# Altium PCB RFSOC_SAWG.PcbDoc (part 13 of 15)
Units mm, origin at the board's own origin, x right, y up, seen from the top; angles counter-clockwise.
Board outline 221.25 x 100 mm, 8 copper layers (Top Layer, Mid-Layer 2, Mid-Layer 3, Mid-Layer 4, Mid-Layer 5, Mid-Layer 6, Mid-Layer 7, Bottom Layer), stack 1.455 mm thick; 1107 components, 833 nets, 3980 pads, 2483 vias.
Unrouted connection lines stored in the file: 1.
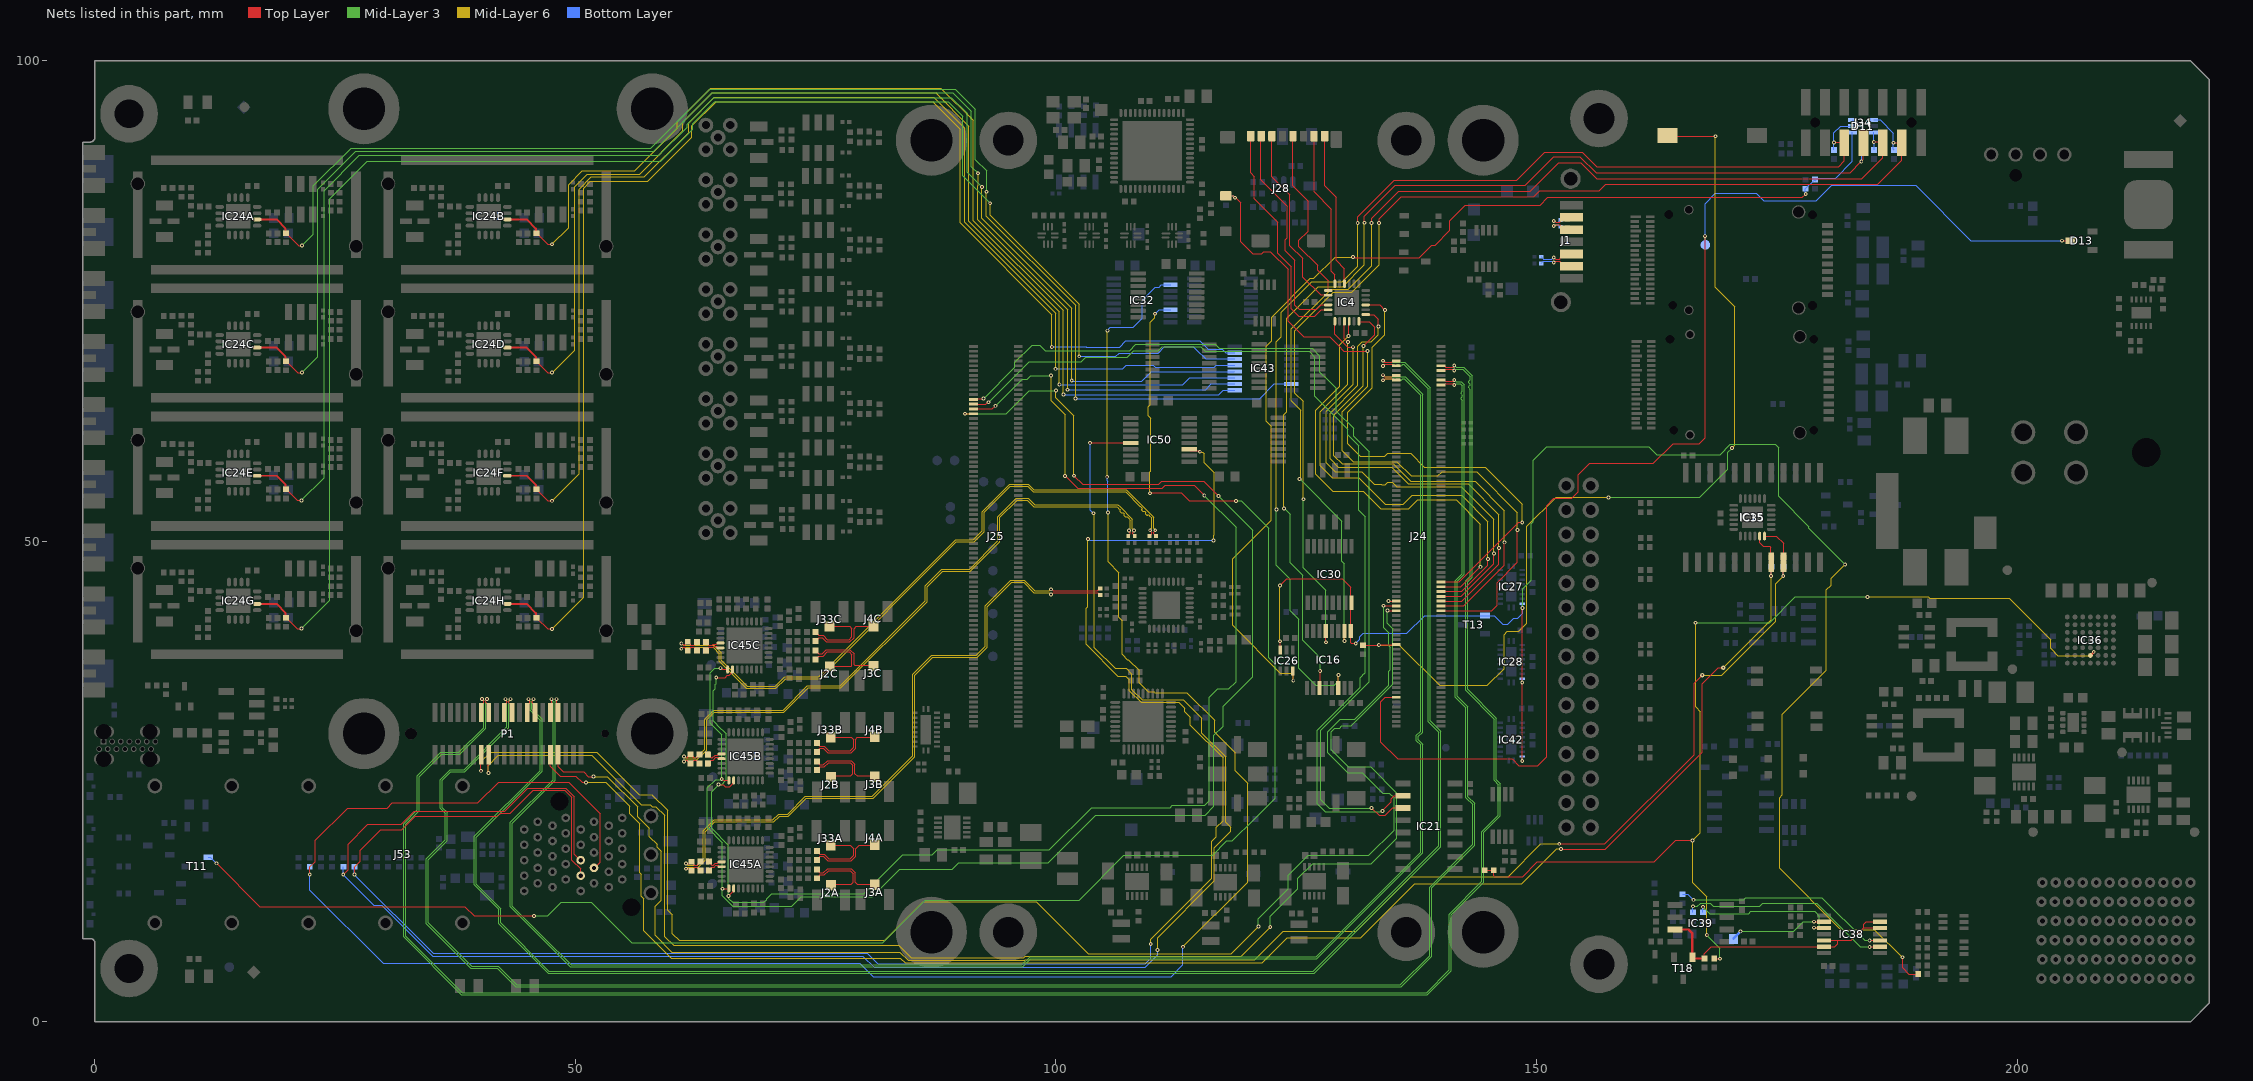
[diagram p19: the nets of this part, all layers, seen from the top]

## Via types
v1: diameter 0.4, hole 0.2, Top Layer to Bottom Layer, tented both sides, 1996 vias
v2: diameter 0.55, hole 0.2, Top Layer to Bottom Layer, 149 vias
v3: diameter 0.5, hole 0.2, Top Layer to Bottom Layer, tented both sides, 106 vias
v4: diameter 0.6, hole 0.3, Top Layer to Bottom Layer, tented both sides, 99 vias
v5: diameter 0.4, hole 0.15, Top Layer to Bottom Layer, tented both sides, 60 vias
v6: diameter 0.6, hole 0.3, Top Layer to Bottom Layer, 32 vias
v7: diameter 0.8, hole 0.5, Top Layer to Bottom Layer, tented both sides, 23 vias
v8: diameter 0.3/0.4/0.4/0.4/0.4/0.3 (per signal layer), hole 0.2, Top Layer to Bottom Layer, tented both sides, 12 vias
v9: diameter 0.4, hole 0.2, Top Layer to Bottom Layer, 5 vias
v10: diameter 0.5, hole 0.2, Top Layer to Bottom Layer, 1 vias

## Nets (pads, with @x,y where several pads share a name; then routed paths per layer and width w, separated by ;. In a path a pad name is that pad's centre, name@x,y a point inside that pad or via, vN(x,y) a via of type N, cw(c..) or ccw(c..) an arc to the next point about the centre after c; other vN are vias at no path point) (continued)
PHY_LED0: J24.50 P1.25 | length 152.8
  Top Layer w0.127: v1(40.95,25.9) 40.95,27.75 P1.25@41,27.8 ; v1(134.5,42.8) 134.514,42.786 135.401,42.786 J24.50@135.415,42.772
  Mid-Layer 3 w0.127: v1(122.3,9.875) 122.3,10.975 125.175,13.85 125.175,14.95 126.7,16.475 132.833,16.475 135.475,19.117 135.475,23.788 132.738,26.525 130.425,26.525 128.625,28.325 128.625,30.166 129.012,30.553 129.518,30.553 129.765,30.8 130.741,30.8 135.053,35.112 135.053,40.915 134.5,41.468 v1(134.5,42.8)
  Mid-Layer 6 w0.127: v1(40.95,25.9) 40.95,26.675 42,27.725 51.725,27.725 56.85,22.6 57.775,22.6 57.985,22.39 58.385,22.39 59.3,21.475 59.3,8.875 60.225,7.95 83.65,7.95 84.942,6.658 96.649,6.658 96.816,6.825 119.3,6.825 v1@122.35,9.875
PHY_LED1: J24.52 P1.27 | length 156.7
  Top Layer w0.127: v1(40.175,26.125) 40.175,27.775 P1.27@40.2,27.8 ; v1(134.1,43.3) 134.114,43.286 135.401,43.286 J24.52@135.415,43.272
  Mid-Layer 3 w0.127: v1(121.075,9.925) 121.075,10.75 124.175,13.85 124.175,15.25 126.25,17.325 132.575,17.325 135.2,19.95 135.2,23.3 134.7,23.8 134.025,23.8 131.9,25.925 130.35,25.925 128.275,28 128.275,30.176 129.05,30.95 129.599,31.5 131.082,31.5 134.625,35.043 134.625,36.473 134.791,36.638 134.791,38.962 134.625,39.127 134.625,40.5 134.1,41.025 v1(134.1,43.3)
  Mid-Layer 6 w0.127: v1(40.175,26.125) 40.175,27.05 41.175,28.05 52.25,28.05 56.65,23.65 57.975,23.65 59.625,22 59.625,11.6 60.1,11.125 60.1,10.461 60.1,9.186 60.786,8.5 82.2,8.5 86.175,12.475 97.975,12.475 103.371,7.079 118.254,7.079 v1@121.125,9.95
PHY_LED2: J24.54 | length 0.8
  Top Layer w0.127: v1(134.6,43.8) 134.614,43.786 135.401,43.786 J24.54@135.415,43.772
PHY_MDI0_N: J24.148 P1.10 | length 181.9
  Top Layer w0.093: P1.10@47.4,32.2 47.523,32.323 v1(47.523,33.575) ; v1(134.05,67.286) 134.05,67.232 134.15,67.132 134.96,67.132 135.1,67.272 J24.148@135.415,67.272
  Mid-Layer 3 w0.08: v1(47.523,33.575) 47.523,33.528 47.683,33.368 47.683,25.208 43.243,20.768 43.243,11.964 46.641,8.566 49.475,5.732 96.55,5.732 97.398,6.58 127.155,6.58 138.157,17.582 138.157,28.899 137.725,29.332 137.725,29.718 138.157,30.151 138.157,65.311 136.341,67.127 134.675,67.127 134.674,67.126 134.257,67.126 134.097,67.286 v1(134.05,67.286)
PHY_MDI0_P: J24.146 P1.8 | length 181.1
  Top Layer w0.093: v1(48.05,33.575) 48.05,32.35 P1.8@48.2,32.2 ; v1(134.05,66.759) 134.05,66.812 134.15,66.912 134.96,66.912 135.1,66.772 J24.146@135.415,66.772
  Mid-Layer 3 w0.08: v1(48.05,33.575) 48.05,33.528 47.89,33.368 47.89,25.122 43.45,20.682 43.45,12.05 46.727,8.773 49.561,5.939 96.464,5.939 97.312,6.787 127.069,6.787 137.95,17.668 137.95,28.813 137.518,29.246 137.518,29.804 137.95,30.237 137.95,65.225 136.256,66.919 136.132,66.919 ; v1(134.05,66.759) 134.097,66.759 134.257,66.919 134.761,66.919 134.761,66.92 135.112,66.92 135.182,66.85 135.182,66.84 135.252,66.77 135.392,66.77 135.462,66.84 135.462,66.85 135.532,66.92 135.672,66.92 135.742,66.85 135.742,66.84 135.812,66.77 135.952,66.77 136.022,66.84 136.022,66.85 136.092,66.92 136.132,66.92
PHY_MDI1_N: J24.154 P1.16 | length 190.7
  Top Layer w0.093: P1.16@45,32.2 45,32.95 45.203,33.154 45.222,33.154 45.277,33.208 45.277,33.367 45.123,33.521 v1(45.123,33.575) ; v1(134.05,68.786) 134.05,68.732 134.15,68.632 134.96,68.632 135.1,68.772 J24.154@135.415,68.772
  Mid-Layer 3 w0.08: v1(45.123,33.575) 45.123,33.528 45.283,33.368 45.283,32.449 46.325,31.407 46.325,26.143 39.475,19.293 39.475,14.257 42.025,11.707 42.025,10.207 47.172,5.061 126.861,5.061 140.024,18.224 140.024,30.244 138.957,31.311 138.957,65.961 136.292,68.626 134.257,68.626 134.097,68.786 v1(134.05,68.786)
PHY_MDI1_P: J24.152 P1.14 | length 189.9
  Top Layer w0.093: v1(45.65,33.575) 45.65,33.521 45.497,33.367 45.497,33.221 45.564,33.154 45.596,33.154 45.8,32.95 P1.14@45.8,32.2 ; v1(134.05,68.259) 134.05,68.312 134.15,68.412 134.96,68.412 135.1,68.272 J24.152@135.415,68.272
  Mid-Layer 3 w0.08: v1(45.65,33.575) 45.65,33.528 45.49,33.368 45.49,32.535 46.532,31.493 46.532,26.057 39.682,19.207 39.682,14.343 42.232,11.793 42.232,10.293 47.257,5.268 126.775,5.268 139.817,18.31 139.817,30.158 138.75,31.225 138.75,65.875 136.206,68.419 136.124,68.419 136.122,68.417 136.082,68.417 136.012,68.347 136.012,68.337 135.942,68.267 135.802,68.267 135.732,68.337 135.732,68.347 135.662,68.417 135.522,68.417 135.452,68.347 135.452,68.337 135.382,68.267 135.242,68.267 135.172,68.337 135.172,68.347 135.102,68.417 134.752,68.417 134.258,68.417 134.257,68.419 134.097,68.259 v1(134.05,68.259)
PHY_MDI2_N: J24.145 P1.22 | length 203.5
  Top Layer w0.093: P1.22@42.6,32.2 42.6,32.95 42.803,33.154 42.822,33.154 42.877,33.208 42.877,33.367 42.723,33.521 v1(42.723,33.575) ; J24.145@140.085,66.772 140.4,66.772 140.54,66.632 141.35,66.632 141.45,66.732 v1(141.45,66.786)
  Mid-Layer 3 w0.08: v1(42.723,33.575) 42.723,33.528 42.883,33.368 42.883,30.69 38.418,26.225 36.964,26.225 35.943,25.204 35.943,22.213 36.45,21.706 36.45,18.95 34.475,16.975 34.475,10.225 39.132,5.568 41.882,5.568 43.807,3.643 135.936,3.643 139.107,6.814 139.107,13.932 143.557,18.382 143.557,22.736 142.875,23.418 142.875,32.775 141.782,33.868 141.782,45.826 142.511,46.555 142.511,66.274 142.16,66.626 141.657,66.626 141.497,66.786 v1(141.45,66.786)
PHY_MDI2_P: J24.143 P1.20 | length 202.8
  Top Layer w0.093: v1(43.25,33.575) 43.25,33.521 43.097,33.367 43.097,33.221 43.164,33.154 43.196,33.154 43.4,32.95 P1.20@43.4,32.2 ; J24.143@140.085,66.272 140.4,66.272 140.54,66.412 141.35,66.412 141.45,66.312 v1(141.45,66.259)
  Mid-Layer 3 w0.08: v1(43.25,33.575) 43.25,33.528 43.09,33.368 43.09,30.604 38.504,26.018 37.05,26.018 36.15,25.118 36.15,22.298 36.657,21.791 36.657,18.864 34.682,16.889 34.682,10.311 39.218,5.775 41.968,5.775 43.893,3.85 135.85,3.85 138.9,6.9 138.9,14.018 143.35,18.468 143.35,22.65 142.668,23.332 142.668,32.689 141.575,33.782 141.575,45.911 142.304,46.641 142.304,64.6 142.304,64.64 142.234,64.71 142.224,64.71 142.154,64.78 142.154,64.92 142.224,64.99 142.234,64.99 142.304,65.06 142.304,65.2 142.234,65.27 142.224,65.27 142.154,65.34 142.154,65.48 142.224,65.55 142.234,65.55 142.304,65.62 142.304,65.971 142.304,66.189 142.074,66.419 141.657,66.419 141.497,66.259 v1(141.45,66.259)
PHY_MDI3_N: J24.151 P1.28 | length 212.9
  Top Layer w0.093: P1.28@40.2,32.2 40.2,32.95 40.452,33.202 40.452,33.392 40.298,33.546 v1(40.298,33.6) ; J24.151@140.085,68.272 140.4,68.272 140.54,68.132 141.35,68.132 141.45,68.232 v1(141.45,68.286)
  Mid-Layer 3 w0.08: v1(40.298,33.6) 40.298,33.553 40.458,33.393 40.458,30.626 37.864,28.032 35.989,28.032 33.568,25.611 33.568,22.061 32.143,20.636 32.143,8.839 38.14,2.842 138.66,2.842 141.132,5.314 141.132,11.132 144.532,14.532 144.532,19.707 146.257,21.432 146.257,24.78 145.832,25.205 145.832,31.598 142.832,34.598 142.832,45.807 143.307,46.282 143.307,67.236 142.417,68.126 141.657,68.126 141.497,68.286 v1(141.45,68.286)
PHY_MDI3_P: J24.149 P1.26 | length 212.2
  Top Layer w0.093: v1(40.825,33.6) 40.825,33.546 40.672,33.392 40.672,33.246 40.764,33.154 40.796,33.154 41,32.95 P1.26@41,32.2 ; J24.149@140.085,67.772 140.4,67.772 140.54,67.912 141.35,67.912 141.45,67.812 v1(141.45,67.759)
  Mid-Layer 3 w0.08: v1(40.825,33.6) 40.825,33.553 40.665,33.393 40.665,30.54 37.95,27.825 36.075,27.825 33.775,25.525 33.775,21.975 32.35,20.55 32.35,8.925 38.226,3.049 138.574,3.049 140.925,5.4 140.925,11.218 144.325,14.618 144.325,19.793 146.05,21.518 146.05,24.694 145.625,25.119 145.625,31.512 142.625,34.512 142.625,45.893 143.1,46.368 143.1,65.819 143.03,65.889 143.02,65.889 142.95,65.959 142.95,66.099 143.02,66.169 143.03,66.169 143.1,66.239 143.1,66.379 143.03,66.449 143.02,66.449 142.95,66.519 142.95,66.659 143.02,66.729 143.03,66.729 143.1,66.799 143.1,67.15 142.331,67.919 141.657,67.919 141.497,67.759 v1(141.45,67.759)
PROG_TCK: D11.3 IC16.2 J34.6 R263.1 | length 113.4
  Top Layer w0.093: v1(130.022,39.625) 130.022,40.647 IC16.2@130.025,40.65
  Top Layer w0.127: v1(132.85,83.125) 132.85,83.6 135.675,86.425 149.375,86.425 152.325,89.375 154.625,89.375 156.25,87.75 183.85,87.75 186.025,89.925 J34.6@186.025,91.45 185.925,91.55 v1(185.1,91.55)
  Mid-Layer 3 w0.127: v1(125.36,56.5) 129.75,52.109 129.75,47.95 130.022,47.678 v1(130.022,39.625)
  Mid-Layer 6 w0.127: v1(125.36,56.5) 125.36,56.574 125.496,56.71 125.496,63.654 124.502,64.648 124.502,72.102 128.625,76.225 130.425,76.225 132.85,78.65 v1(132.85,83.125)
  Bottom Layer w0.127: D11.3@185.075,92.55 185.075,91.575 v1(185.1,91.55) 185.125,91.525 R263.1@185.125,90.72
PROG_TDI: D11.5 IC16.14 J34.10 R264.1 | length 121.6
  Top Layer w0.093: IC16.14@129.375,34.75 129.4,34.775 v1(129.4,36.1)
  Top Layer w0.127: v1(131.4,83.125) 131.4,83.766 135.184,87.55 147.925,87.55 150.875,90.5 154.775,90.5 156.275,89 181.45,89 182.025,89.575 J34.10@182.025,91.45 181.975,91.5 v1(180.95,91.5)
  Mid-Layer 3 w0.127: v1(122.95,53.325) 122.95,47.5 124.375,46.075 124.375,42.8 125.257,41.918 125.257,36.793 127.025,35.025 128.987,35.025 129.4,35.438 v1(129.4,36.1)
  Mid-Layer 6 w0.127: v1(122.95,53.325) 122.916,53.359 122.916,70.741 123.45,71.275 123.45,73.825 126.625,77 129.8,77 131.4,78.6 v1(131.4,83.125)
  Bottom Layer w0.127: R264.1@180.95,90.72 v1(180.95,91.5) 180.95,92.5 181.65,93.2 D11.5@182.875,93.2
PROG_TDO: D11.6 IC16.11 J34.8 | length 118
  Top Layer w0.093: IC16.11@127.425,34.75 127.5,34.825 v1(127.5,36.5)
  Top Layer w0.127: v1(132.1,83.15) 132.1,83.8 135.325,87.025 148.825,87.025 151.825,90.025 154.525,90.025 156.2,88.35 182.625,88.35 v1(183.8,89.525) 184.025,89.75 J34.8@184.025,91.45
  Mid-Layer 3 w0.127: v1(123.75,53.425) 124.375,52.8 124.375,47.75 125.675,46.45 125.675,39.707 127.5,37.882 v1(127.5,36.5)
  Mid-Layer 6 w0.127: v1(123.75,53.425) 123.7,53.475 123.7,63.177 124.025,63.502 124.025,73.202 127.323,76.5 129.825,76.5 132.1,78.775 v1(132.1,83.15)
  Bottom Layer w0.127: D11.6@182.875,93.85 183.011,93.714 183.311,93.714 183.825,93.2 183.825,89.55 v1(183.8,89.525)
PROG_TMS: D11.1 IC16.5 J34.4 R259.1 | length 115.3
  Top Layer w0.093: IC16.5@128.075,40.65 128.1,40.625 v1(128.1,39.5)
  Top Layer w0.127: v1(133.625,83.125) 133.625,83.55 135.925,85.85 149.725,85.85 150.35,86.475 156.55,86.475 157.225,87.15 185.525,87.15 188.025,89.65 J34.4@188.025,91.45 188,91.475 v1(187.15,91.475)
  Mid-Layer 3 w0.127: v1(125.75,54.375) 125.75,47.248 128.1,44.898 v1(128.1,39.5)
  Mid-Layer 6 w0.127: v1(125.75,54.375) 125.75,64.55 124.875,65.425 124.875,71.925 128.875,75.925 130.775,75.925 133.625,78.775 v1(133.625,83.125)
  Bottom Layer w0.127: D11.1@185.075,93.85 185.75,93.85 187.15,92.45 v1(187.15,91.475) 187.15,90.77 R259.1@187.2,90.72
PROG_TRST: D11.4 IC26.3 R265.1 R266.1 | length 115.5
  Top Layer w0.093: IC26.3@124.65,36.5 124.7,36.45 v1(124.7,35.5)
  Top Layer w0.127: v1(130.926,79.574) 130.952,79.548 131.092,79.548 131.111,79.528 137.803,79.528 139.1,80.825 139.45,80.825 140.975,82.35 140.975,83.35 142.575,84.95 150.375,84.95 151.2,85.775 177.671,85.775 v1(178.021,86.125)
  Mid-Layer 6 w0.127: v1(124.7,35.5) 124.7,36.025 124.425,36.3 123.35,36.3 118.4,41.25 118.4,48.175 122.4,52.175 122.4,61.975 121.875,62.5 121.875,70.3 122.437,70.862 122.437,73.337 126.475,77.375 126.85,77.375 129.049,79.574 v1(130.926,79.574)
  Bottom Layer w0.127: v1(178.021,86.125) 177.991,86.154 R266.1@177.991,86.7 178.937,87.645 R265.1@179,87.645 179,87.525 179.275,87.8 181.125,87.8 182.875,89.55 D11.4@182.875,92.55
PSBATT: D13.3 J24.14 TP15.1 | length 138.3
  Top Layer w0.127: J24.14@135.415,33.772 134.272,33.772 133.825,33.325 133.825,29.1 135.56,27.366 147.459,27.366 148.15,26.675 150.15,26.675 151.05,27.575 151.05,53.7 151.825,54.475 153.675,54.475 154.375,55.175 154.375,56.95 155.525,58.1 162.175,58.1 164.225,60.15 166.925,60.15 167.55,60.775 v1(167.55,81.75) ; v1(204.689,81.282) 204.696,81.275 D13.3@205.575,81.275
  Bottom Layer w0.08: v1(167.55,81.75) 167.55,80.875 TP15.1@167.575,80.85
  Bottom Layer w0.127: v1(167.55,81.75) 167.55,85.125 168.625,86.2 172.875,86.2 173.65,85.425 179.125,85.425 180.725,87.025 189.45,87.025 195.193,81.282 v1(204.689,81.282)
PWR_GA0: IC38.3 R277.2 | length 22.7
  Top Layer w0.127: v1(184.675,8.475) IC38.3@185.725,8.475
  Mid-Layer 3 w0.127: v1(166.35,12.7) 171.548,12.7 171.788,12.94 179.684,12.94 184.15,8.475 v1(184.675,8.475)
  Bottom Layer w0.127: R277.2@165.198,13.278 165.722,13.278 166.3,12.7 v1(166.35,12.7)
PWR_GA1: IC38.2 R281.2 | length 22.3
  Top Layer w0.127: v1@184.7,7.8 185.7,7.8 IC38.2@185.725,7.825
  Mid-Layer 3 w0.127: v1(166.275,12.025) 166.748,12.025 167.088,12.365 168.059,12.365 168.375,12.05 173.25,12.05 173.525,12.325 179.175,12.325 183.7,7.8 v1(184.675,7.8)
  Bottom Layer w0.127: R281.2@166.275,11.395 v1(166.275,12.025)
PWR_GA2: IC38.10 R280.2 | length 16
  Top Layer w0.127: v1(178.875,9.8) 179.9,9.8 IC38.10@179.925,9.775
  Mid-Layer 3 w0.127: v1(167.325,11.975) 168.04,11.259 172.087,11.259 172.318,11.491 178.959,11.491 179.45,11 179.45,9.95 179.3,9.8 v1(178.875,9.8)
  Bottom Layer w0.127: R280.2@167.325,11.395 v1(167.325,11.975)
PWR_GA3: IC38.9 R279.2 | length 10.2
  Top Layer w0.127: v1(178.875,10.425) IC38.9@179.925,10.425
  Mid-Layer 3 w0.127: v1(171.247,9.424) 176.752,9.425 177.752,10.425 v1(178.875,10.425)
  Bottom Layer w0.254: R279.2@170.5,8.625 170.5,8.675 171.247,9.422 v1(171.247,9.424)
QSFP0_SCL: IC15.6 IC35.9 P1.7 R46.1 | length 174.3
  Top Layer w0.127: P1.7@48.2,27.8 48.2,26.525 48.725,26 50.875,26 51.35,25.525 v1(51.9,25.525) ; v1(152.376,18.528) 157.128,18.528 166.4,27.8 166.4,35.225 v3(167.25,36.075) ; IC15.6@173.725,50.55 174.95,50.55 175.705,49.795 IC35.9@175.705,47.825 175.68,47.8 v1(175.68,46.4)
  Mid-Layer 6 w0.127: v1(51.9,25.525) 53.325,25.525 56.479,22.371 56.479,21.346 57.7,20.125 57.7,19.284 58.498,18.486 58.498,18.167 58.935,17.73 58.935,12.66 58.3,12.025 58.3,9 60.032,7.268 83.757,7.268 84.621,6.404 96.754,6.404 96.825,6.475 120.675,6.475 123.65,9.45 131.225,9.45 136.9,15.125 147.052,15.125 150.456,18.528 v1(152.376,18.528) ; v3(167.25,36.075) 169.3,36.075 174.9,41.675 174.9,45.575 175.68,46.355 v1(175.68,46.4)
  Bottom Layer w0.127: v1(175.68,46.4) 175.68,47.33 R46.1@175.705,47.355
QSFP0_SDA: IC15.5 IC35.8 P1.9 R45.1 | length 173
  Top Layer w0.127: P1.9@47.4,27.8 47.4,26.6 48.425,25.575 50.05,25.575 50.7,24.925 v1(51.125,24.925) ; v1(152.564,17.984) 157.159,17.984 167.25,28.075 167.25,35.2 168.897,36.847 v3(169.44,36.847) ; IC15.5@173.225,50.55 173.225,49.875 173.6,49.5 174.3,49.5 174.4,49.4 174.4,47.86 IC35.8@174.435,47.825 174.41,47.8 v1(174.41,46.4)
  Mid-Layer 6 w0.127: v1(51.125,24.925) 53.175,24.925 55.675,22.425 55.675,21.65 56.7,20.625 56.7,15.525 56.875,15.35 56.875,13.06 57.1,12.835 57.1,9.5 59.975,6.625 83.825,6.625 84.3,6.15 121.475,6.15 124.07,8.745 131.695,8.745 137.325,14.375 148.475,14.375 152.11,18.01 152.538,18.01 v1(152.564,17.984) ; v3(169.44,36.847) 174.41,41.817 v1(174.41,46.4)
  Bottom Layer w0.127: v1(174.41,46.4) 174.41,47.33 R45.1@174.435,47.355
REF_INA_N: C27A.2 IC45A.28 | length 1.6
  Top Layer w0.093: C27A.2@63.9,16.669 64.163,16.405 64.163,16.371 64.218,16.316 64.354,16.316 64.541,16.504 64.792,16.504 64.932,16.644 IC45A.28@65.225,16.644
REF_INA_P: C13A.2 IC45A.29 | length 1.6
  Top Layer w0.093: C13A.2@63.9,15.744 64.163,16.007 64.163,16.042 64.218,16.096 64.445,16.096 64.632,16.284 64.792,16.284 64.932,16.144 IC45A.29@65.225,16.144
REF_INB_N: C27B.2 IC45B.28 | length 1.8
  Top Layer w0.093: C27B.2@63.807,27.819 64.07,27.556 64.07,27.521 64.125,27.467 64.264,27.467 64.541,27.745 64.792,27.745 64.932,27.885 IC45B.28@65.225,27.885
REF_INB_P: C13B.2 IC45B.29 | length 1.8
  Top Layer w0.093: C13B.2@63.807,26.894 64.07,27.158 64.07,27.192 64.125,27.247 64.355,27.247 64.632,27.525 64.792,27.525 64.932,27.385 IC45B.29@65.225,27.385
REF_INC_N: C27C.2 IC45C.28 | length 1.8
  Top Layer w0.093: C27C.2@63.572,39.543 63.835,39.279 63.835,39.245 63.89,39.19 64.253,39.19 64.341,39.278 64.664,39.278 64.804,39.418 IC45C.28@65.097,39.418
REF_INC_P: C13C.2 IC45C.29 | length 1.8
  Top Layer w0.093: C13C.2@63.572,38.618 63.835,38.881 63.835,38.916 63.89,38.97 64.344,38.97 64.432,39.058 64.664,39.058 64.804,38.918 IC45C.29@65.097,38.918
RESETN: J24.36 PB1.2 R32.1 | length 99.7
  Top Layer w0.127: R32.1@131.95,39.195 131.955,39.2 v1(133.6,39.2) 133.636,39.236 135.379,39.236 J24.36@135.415,39.272 ; PB1.2@163.65,92.225 163.725,92.15 v1(168.625,92.15)
  Mid-Layer 3 w0.127: v1(157.5,54.575) 167,54.575 169.9,57.475 169.9,59.25 v1(170.35,59.7)
  Mid-Layer 6 w0.127: v1(133.6,39.2) 135.73,39.2 139.93,35 144.9,35 146.64,36.74 146.64,40.305 146.986,40.65 148.175,40.65 149,41.475 149,51.55 152.05,54.6 157.475,54.6 v1(157.5,54.575) ; v1(168.625,92.15) 168.625,76.425 170.65,74.4 170.65,60 v1(170.35,59.7)
RFPLL_LE_SEL0: IC21.2 J25.136 | length 99.3
  Top Layer w0.127: J25.136@91.415,64.272 92.724,64.272 92.926,64.475 v1(93,64.475) ; v1(133.975,21.95) 133.975,21.975 134.528,22.528 134.904,22.904 134.904,23.204 135.225,23.525 IC21.2@136.125,23.525
  Mid-Layer 3 w0.127: v1(93,64.475) 93.033,64.475 97.235,68.676 102.626,68.676 103.125,69.175 107.45,69.175 108.109,69.834 110.643,69.834 111.05,70.242 115.058,70.242 115.544,69.756 126.344,69.756 126.925,69.175 126.925,65.1 130.375,61.65 130.375,61.107 131.525,59.957 131.525,53.225 132.2,52.55 132.2,36.35 132.065,36.216 132.048,36.216 131.819,35.987 131.819,35.969 131.65,35.8 131.65,34.8 127.2,30.35 127.2,22.685 128.025,21.86 133.811,21.86 133.901,21.95 v1(133.975,21.95)
RFPLL_LE_SEL1: IC21.3 J25.138 | length 99.6
  Top Layer w0.127: J25.138@91.415,64.772 91.454,64.811 92.436,64.811 v1(92.475,64.85) ; v1(132.85,22.25) 133.625,21.475 134.275,21.475 135.055,22.255 IC21.3@136.125,22.255
  Mid-Layer 3 w0.127: v1(92.475,64.85) 95.725,68.1 95.725,68.613 97.529,70.417 98.333,70.417 98.916,69.835 107.66,69.835 108.325,70.5 116.569,70.5 116.994,70.075 126.675,70.075 127.475,69.275 127.475,67.614 128.229,66.86 129.175,65.914 129.175,63.55 130.975,61.75 130.975,60.959 132.6,59.334 132.6,35.375 127.575,30.35 127.575,23.125 128.45,22.25 v1(132.85,22.25)
RFPLL_REFin0_N: C27C.1 C34.2 R107C.2 | length 67.2
  Top Layer w0.093: v1(61.025,39.352) 61.079,39.352 61.253,39.178 61.379,39.178 61.433,39.233 61.433,39.295 61.677,39.538 R107C.2@61.697,39.538 61.717,39.538 61.96,39.295 61.96,39.245 62.015,39.19 62.354,39.19 62.408,39.245 62.408,39.279 C27C.1@62.672,39.543 ; v1(110.338,51.15) 110.338,51.096 110.185,50.942 110.185,50.783 110.239,50.729 110.271,50.729 110.425,50.575 C34.2@110.425,50.55
  Mid-Layer 6 w0.08: v1(61.025,39.352) 61.072,39.352 61.232,39.192 64.409,39.192 65.2,38.401 65.2,37.618 67.893,34.925 70.782,34.925 71.782,35.925 75.332,35.925 89.564,50.157 91.414,50.157 92.343,51.086 92.343,53.093 95.175,55.925 97.143,55.925 97.711,55.357 107.336,55.357 108.885,53.808 110.178,52.514 110.178,51.357 110.338,51.197 v1(110.338,51.15)
RFPLL_REFin0_P: C13C.1 C33.2 R107C.1 | length 67.1
  Top Layer w0.093: v1(61.025,38.825) 61.1,38.825 61.233,38.958 61.379,38.958 61.433,38.904 61.433,38.842 61.677,38.598 R107C.1@61.697,38.598 61.717,38.598 61.96,38.842 61.96,38.904 62.027,38.97 62.354,38.97 62.408,38.916 62.408,38.881 C13C.1@62.672,38.618 ; C33.2@109.725,50.55 109.725,50.575 109.878,50.729 109.911,50.729 109.965,50.783 109.965,50.942 109.811,51.096 v1(109.811,51.15)
  Mid-Layer 6 w0.08: v1(61.025,38.825) 61.072,38.825 61.232,38.985 64.323,38.985 64.993,38.315 64.993,37.532 67.807,34.718 70.868,34.718 71.868,35.718 75.418,35.718 89.65,49.95 91.5,49.95 92.55,51 92.55,53.007 95.261,55.718 97.057,55.718 97.625,55.15 107.25,55.15 108.738,53.662 108.767,53.633 108.965,53.435 108.965,53.336 108.957,53.329 108.957,53.23 109.056,53.131 109.155,53.131 109.163,53.138 109.262,53.138 109.361,53.039 109.361,52.94 109.353,52.933 109.353,52.834 109.452,52.735 109.551,52.735 109.559,52.742 109.657,52.742 109.697,52.703 109.725,52.675 109.971,52.429 109.971,51.357 109.811,51.197 v1(109.811,51.15)